# Altium PCB DataTranslator.PcbDoc (continued)
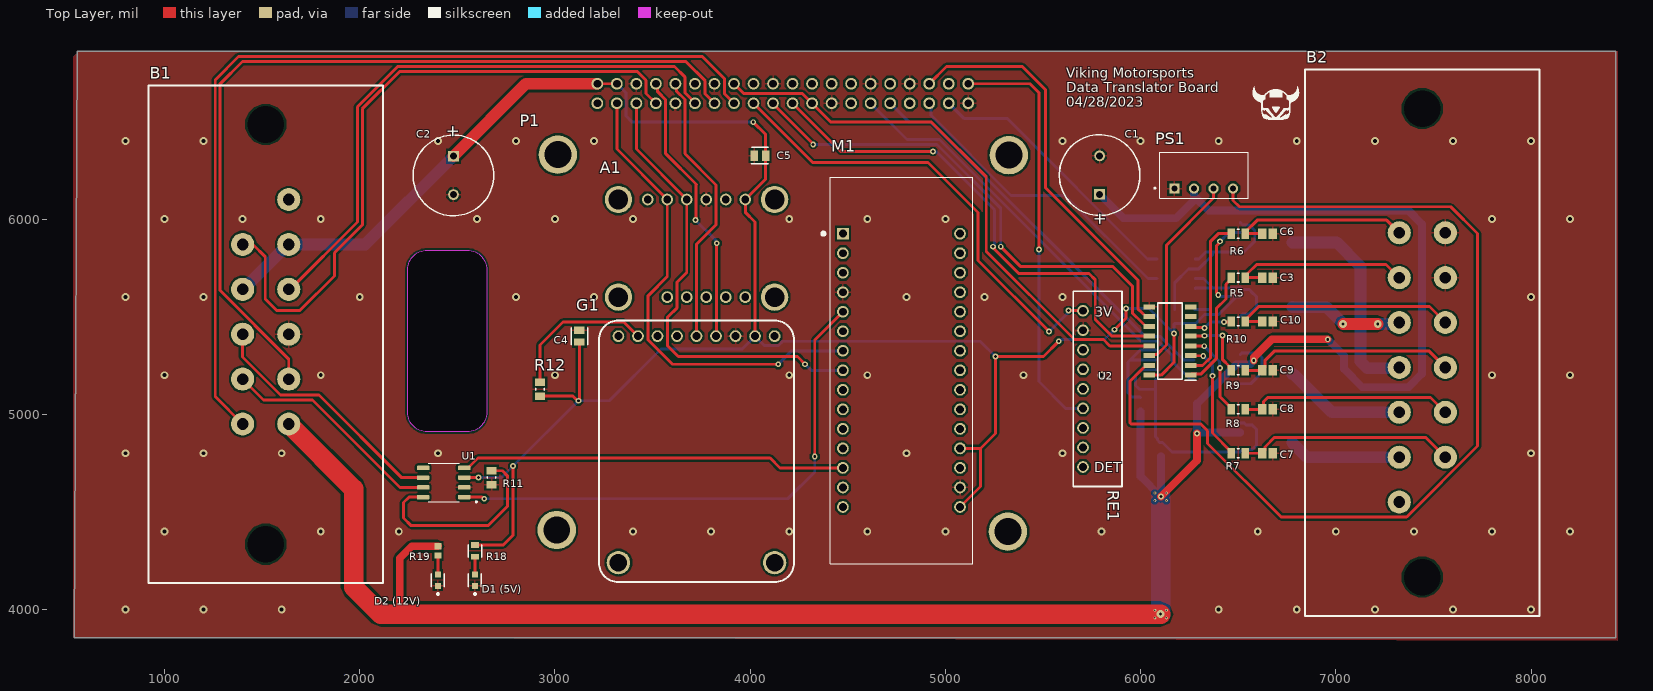
[diagram p0: Top Layer view]
## Part data (continued)
G1: "GPS BREAKOUT 66CH W/10HZ UPDATES", Manufacturer="Adafruit Industries", Manufacturer Part Number=746, Category="RF Semiconductors and Devices", ComponentLink1Description=https://media.digikey.com/pdf/Data%20Sheets/Adafruit%20PDFs/746_Web.pdf?src-supplier=Digi-Key, ComponentLink1URL=https://media.digikey.com/pdf/Data%20Sheets/Adafruit%20PDFs/746_Web.pdf?src-supplier=Digi-Key, ComponentLink2Description=http://www.alliedelec.com/m/d/a201c4d28f3644f3ee4dce0b4167d661.pdf?src-supplier=Allied+Electronics, ComponentLink2URL=http://www.alliedelec.com/m/d/a201c4d28f3644f3ee4dce0b4167d661.pdf?src-supplier=Allied+Electronics, Pricing="1=29.95 (USD)", RoHS=Yes, Stock=65, Supplier=Digi-Key, Supplier Part Number=1528-1153-ND
M1: "Boards/Accessories", Manufacturer=STMicroelectronics, Supplier Part Number=68Y1244, Category="Embedded Processors and Controllers", ComponentLink1Description=http://www.farnell.com/datasheets/2064195.pdf?src-supplier=Farnell, ComponentLink1URL=http://www.farnell.com/datasheets/2064195.pdf?src-supplier=Farnell, ComponentLink2Description=http://www.st.com/content/ccc/resource/technical/document/data_brief/b1/d8/13/d4/b0/b7/4b/6e/DM00214578.pdf/files/DM00214578.pdf/jcr:content/translations/en.DM00214578.pdf?src-supplier=Digi-Key, ComponentLink2URL=http://www.st.com/content/ccc/resource/technical/document/data_brief/b1/d8/13/d4/b0/b7/4b/6e/DM00214578.pdf/files/DM00214578.pdf/jcr:content/translations/en.DM00214578.pdf?src-supplier=Digi-Key, ComponentLink3Description=http://www.st.com/st-web-ui/static/active/en/resource/technical/document/user_manual/DM00116575.pdf?s_searchtype=keyword&src-supplier=Avnet, ComponentLink3URL=http://www.st.com/st-web-ui/static/active/en/resource/technical/document/user_manual/DM00116575.pdf?s_searchtype=keyword&src-supplier=Avnet, ComponentLink4Description=http://www.farnell.com/datasheets/1966773.pdf?src-supplier=Element14, ComponentLink4URL=http://www.farnell.com/datasheets/1966773.pdf?src-supplier=Element14, ComponentLink5Description=http://www.farnell.com/datasheets/2064195.pdf?src-supplier=Newark, ComponentLink5URL=http://www.farnell.com/datasheets/2064195.pdf?src-supplier=Newark, Core Architecture=ARM, Evaluation Kit=Yes, Lead Free="Lead Free", Manufacturer Part Number=NUCLEO-F303K8, Number of Bits=32, Pricing="1=10.33000 (USD)", Reach SVHC Compliant=Yes, RoHS=No, Series=STM32F3, Stock=226, Supplier=Newark
M2 M3: "DUAL N-Channel Enhancement Mode Power MOSFET", Manufacturer=GoFord, Supplier Part Number=3141-G800N06S2CT-ND, Manufacturer Part Number=G800N06S2, Pricing="1=0.49, 10=0.395, 100=0.2688, 500=0.2016, 1000=0.1512, 2000=0.1386 (USD)", RoHS=No, Stock=3988, Supplier=Digi-Key
P1: "SINGLE BOARD COMPUTER 700MHZ 256", Manufacturer="Raspberry Pi", Manufacturer Part Number="RASPBERRY PI A+", Supplier Part Number=2648-RASPBERRYPIA+-ND, Category="Single Board Computers (SBCs)", ComponentLink1Description=https://media.digikey.com/pdf/Data%20Sheets/Raspberry%20Pi%20PDFs/Raspberry_PI_1_Model_A+_Web.pdf?src-supplier=Digi-Key, ComponentLink1URL=https://media.digikey.com/pdf/Data%20Sheets/Raspberry%20Pi%20PDFs/Raspberry_PI_1_Model_A+_Web.pdf?src-supplier=Digi-Key, Pricing="1=20 (USD)", RoHS=Yes, Supplier=Digi-Key
PS1: "Recom Through Hole 1W Isolated DC-DC Converter, I/O isolation 1kV dc, Vout 5V dc", Manufacturer_Name="RECOM Power", Mouser Part Number=919-ROE-1205S, Arrow Part Number=ROE-1205S, Arrow Price/Stock=https://www.arrow.com/en/products/roe-1205s/recom-power?region=nac, Datasheet Link=https://www.recom-power.com/pdf/Econoline/ROE.pdf, Geometry.Height=10.5mm, Manufacturer_Part_Number=ROE-1205S, Mouser Price/Stock=https://www.mouser.co.uk/ProductDetail/RECOM-Power/ROE-1205S?qs=wlO1EFRhkBDfK04Zv7WG%2Fg%3D%3D
R1 R2 R3 R4 R5 R6 R7 R8 R9 R10 R11 R12: library part CMP-1659-00013-4, "Chip Resistor, 10 KOhm, +/- 1%, 0.125 W, -55 to 155 degC, 0805 (2012 Metric), RoHS, Tape and Reel", Manufacturer=Yageo, Max Operating Temperature="155 degC", Min Operating Temperature="-55 degC", Package Quantity=5000, Voltage Rating="150 V", ComponentLink1Description="Manufacturer URL", ComponentLink1URL=http://www.yageo.com/, ComponentLink2Description=Datasheet, ComponentLink2URL=http://www.yageo.com/documents/recent/PYu-RC_Group_51_RoHS_L_04.pdf, DatasheetVersion="Rev. 4, 02/2016", Height="0.5 mm", Length="2 mm", Mount="Surface Mount", Mounting Technology="Surface Mount", PackageDescription="2-Pin Surface Mounted Device, Body 2 x 1.25 mm", PackageReference=0805, Packaging="Tape and Reel", Pins=2, REACH SVHC="No SVHC", RoHSCompliant=true
R18: library part CMP-02407-010710-1, "RES Thick Film, 150Ω, 1%, 0.33W, 100ppm/°C, 0603", Case Code (Imperial)=0603, Case Code (Metric)=1608, Max Operating Temperature=155°C, Max Power Dissipation=250mW, Min Operating Temperature=-55°C, Package Quantity=1, Resistance=150R, Temperature Coefficient=100ppm/°C, Tolerance=1%, Voltage Rating=75V, Case/Package=0603, Composition="Thick Film", Contact Plating=Tin, Depth=0.85mm, Features="Automotive AEC-Q200", Height=0.45mm, Lead Free="Lead Free", Length=1.55mm, Military Standard=Not, Mount="Surface Mount", Number of Terminations=2, Packaging="Tape and Reel", Power Rating=250mW, Radiation Hardening=No, Termination=SMD/SMT, Voltage Rating (DC)=75V, Weight=7.1E-05oz, Width=0.033inch
R19: library part CMP-2000-00091-1, Manufacturer=Panasonic, Part Number=ERA3AEB561V
RE1: library part 4682, "MICROSD SPI/SPIO BREAKOUT BOARD", Manufacturer="Adafruit Industries", Manufacturer Part Number=4682, Pricing="1=3.556 (USD)", RoHS=No, Stock=408, Supplier="Arrow Electronics", Supplier Part Number=4682
U1: "CAN Transceiver, 1-Trnsvr, PDSO8", Case/Package=SOIC, Manufacturer=Microchip, Max Operating Temperature=85°C, Max Supply Current=75mA, Max Supply Voltage=5.5V, Min Operating Temperature=-40°C, Min Supply Voltage=4.5V, Operating Supply Voltage=5V, Package=None, Package Body Material=Plastic, Package Equivalence Code=SOP8,.25, Package Quantity=100, Package Shape=Rectangular, Package Style="SMALL OUTLINEMeter", Peak Reflow Temperature (Cel)=260°C, Supplier Part Number=69K7604, Temperature Grade=INDUSTRIAL, Time @ Peak Reflow Temperature-Max (s)=40s, Availability=Unavailable, Category="Interface ICs", Channels=1, ComponentLink1Description=https://datasheet.ciiva.com/27056/2040583-27056423.pdf?src-supplier=Jameco, ComponentLink1URL=https://datasheet.ciiva.com/27056/2040583-27056423.pdf?src-supplier=Jameco, ComponentLink2Description=https://datasheet.ciiva.com/8084/jp011797-8084592.pdf?src-supplier=Avnet, ComponentLink2URL=https://datasheet.ciiva.com/8084/jp011797-8084592.pdf?src-supplier=Avnet, ComponentLink3Description=https://datasheet.ciiva.com/14152/eb644223-644224-e-14152540.pdf?src-supplier=Distrelec, ComponentLink3URL=https://datasheet.ciiva.com/14152/eb644223-644224-e-14152540.pdf?src-supplier=Distrelec, ComponentLink4Description=https://datasheet.ciiva.com/1495/21667f-1495089.pdf?src-supplier=Element14, ComponentLink4URL=https://datasheet.ciiva.com/1495/21667f-1495089.pdf?src-supplier=Element14, ComponentLink5Description=https://datasheet.ciiva.com/1700/21667f-1700023.pdf?src-supplier=Digi-Key, ComponentLink5URL=https://datasheet.ciiva.com/1700/21667f-1700023.pdf?src-supplier=Digi-Key, ComponentLink6Description=https://datasheet.ciiva.com:443/pdfs/VipMasterIC/IC/MCHP/MCHP-S-A0002782162/MCHP-S-A0002782162-1.pdf?src-supplier=IHS+Markit, ComponentLink6URL=https://datasheet.ciiva.com:443/pdfs/VipMasterIC/IC/MCHP/MCHP-S-A0002782162/MCHP-S-A0002782162-1.pdf?src-supplier=IHS+Markit, Contact Plating=Tin,Matte, Data Rate=1Mbps, Height=1.25mm, Height - Seated (Max)=1.75mm, Interface=Serial,CAN, JESD-30 Code=R-PDSO-G8, JESD-609 Code=e3, Lead Free="Lead Free", Length=4.9mm, Logic Function=Transceiver, Manufacturer Part Number=MCP2551-I/SN, Moisture Sensitivity Level=1, Mounting Technology="Surface Mount", MP=MCP2551-I/SN, Nominal Supply Current=75mA, Nominal Supply Voltage=5.5V, Number of Drivers=1, Number of Receive Buffers=1, Number of Receivers=1, Number of Terminals/Pins=8, Number of Transceivers=1, Number of Transmit Buffers=1, Packaging=Rail/Tube, Pins=8, Power Supplies=5V, Price=None, Pricing="1=1.37000, 10=1.32000, 25=1.26000, 50=1.26000, 100=1.25000 (USD)", Qualification Status="Not Qualified", Radiation Hardening=No, Reach SVHC Compliant=Yes, RoHS=Yes, RoHS Compliant=Yes, Slew Rate=8.5V/µs, Stock=47560, Supplier=Newark, Supply Current=75mA, Surface Mount=Yes, Technology=CMOS, Telecom IC Type="INTERFACE CIRCUIT", Terminal Finish=Tin, Terminal Form="Gull Wing", Terminal Pitch=1.27mm, Terminal Position=DUAL, Width=3.9mm
U2: "10-bit ADC, 8-channel, SPI Microchip MCP3008-I/SL, 10 bit Serial ADC, Differential Input, 16-Pin SOIC", Arrow Part Number=MCP3008-I/SL, Manufacturer_Name=Microchip, Mouser Part Number=579-MCP3008-I/SL, Arrow Price/Stock=https://www.arrow.com/en/products/mcp3008-isl/microchip-technology?region=nac, Datasheet Link=https://datasheet.datasheetarchive.com/originals/distributors/Datasheets-DGA17/1031059.pdf, Geometry.Height=1.75mm, Manufacturer_Part_Number=MCP3008-I/SL, Mouser Price/Stock=https://www.mouser.co.uk/ProductDetail/Microchip-Technology-Atmel/MCP3008-I-SL?qs=BYQkrObauiuZK6Atf%2FfReA%3D%3D

## Via types
v1: diameter 40, hole 20, Top Layer to Bottom Layer, 70 vias
v2: diameter 30, hole 15, Top Layer to Bottom Layer, tented both sides, 36 vias
v3: diameter 15, hole 7, Top Layer to Bottom Layer, tented both sides, 8 vias
v4: diameter 40, hole 15, Top Layer to Bottom Layer, tented both sides, 3 vias

## Nets (pads, with @x,y where several pads share a name; then routed paths per layer and width w, separated by ;. In a path a pad name is that pad's centre, name@x,y a point inside that pad or via, vN(x,y) a via of type N, cw(c..) or ccw(c..) an arc to the next point about the centre after c; other vN are vias at no path point)
5V_OUT_1: B2.3 F3.5 | length 1102
  Bottom Layer w60: F3.5 7003.86,5880 7125.98,5757.87 7125.98,5271.37 7161.13,5236.22 7321.46,5236.22 B2.3
5V_OUT_1_RPI: M3.2 P1.35 | length 1569.3
  Bottom Layer w15: P1.35 4925.66,6584.34 4925.66,6531.04 5335.7,6120.99 5611.29,6120.99 6037.28,5695 M3.2
5V_OUT_2: B2.4 F4.5 | length 588
  Top Layer w60: v4(7037.4,5462.6) v4(7214.57,5462.6)
  Bottom Layer w60: F4.5 6778.51,5547.59 6952.41,5547.59 v4(7037.4,5462.6) ; v4(7214.57,5462.6) 7317.91,5462.6 B2.4
5V_OUT_2_RPI: M3.4 P1.37 | length 1396.7
  Bottom Layer w15: P1.37 5094.25,6515.75 5314.96,6515.75 6035.71,5795 M3.4
12V_OUT_1: B2.1 F1.5 | length 580
  Bottom Layer w60: F1.5 6851.18,4779.92 B2.1
12V_OUT_1_RPI: M2.2 P1.31 | length 2100.7
  Bottom Layer w15: P1.31 4814.38,6495.62 4924.28,6495.62 6020.88,5399.02 6099.64,5399.02 6220.7,5277.95 M2.2
12V_OUT_2: B2.2 F2.5 | length 629.7
  Bottom Layer w60: F2.5 6784.76,5205 6979.92,5009.84 7017.72,5009.84 B2.2
12V_OUT_2_RPI: M2.4 P1.29 | length 2259.8
  Bottom Layer w15: P1.29 4803.11,6406.89 4969.74,6406.89 6002.61,5374.02 6089.29,5374.02 6161.42,5301.89 6161.42,5271.85 6255.31,5177.95 M2.4
+3.3: P1.17 RE1.9 | length 2367.9
  Top Layer w15: P1.17 4320.63,6289.37 4911.42,6289.37 5167.32,6033.46 5167.32,5787.4 v2(5531.5,5423.23) ; v2(5629.92,5531.5) 5630.67,5530.75 5704.25,5530.75 RE1.9
  Bottom Layer w15: v2(5531.5,5423.23) 5627.05,5518.78 5627.05,5528.63 v2(5629.92,5531.5)
+5: A1.1 B1.1 B1.7 C2.1 C4.1 C5.1 F3.1 F4.1 G1.8 M1.16 M1.19 P1.2 P1.4 R3.2 R4.2 R12.1 R18.2 U1.3 U2.16 | length 11854.3
  Top Layer w15: U1.3 2535.22,4675.1 2608.17,4675.1 v2(2608.27,4675.2) ; R18.2 2735.04,4329.53 2785.43,4379.92 v2(2785.43,4734.25) ; R12.1 3092.4,5092.52 3116.02,5068.9 v2(3120.08,5068.9) 3120.08,5072.96 3125,5077.88 C4.1 ; P1.2 P1.4 ; v2(4015.75,6496.06) 4079.53,6432.28 C5.1 4079.53,6204.53 A1.1 3975,6034.84 4025,5984.84 G1.8 ; M1.16 5179.33,4629.33 5179.33,4825 ; M1.19 5179.33,4825 ; v2(5580.71,5374.02) 5501.97,5295.28 v2(5255.91,5295.28) 5255.91,4901.57 5179.33,4825 ; v2(5866.14,5433.07) 5925.2,5492.13 v2(5925.2,5541.34) ; U2.16 6105.51,5200 6171.26,5265.75 v2(6171.26,5413.39) ; v2(6397.64,5610.24) 6397.64,5614.3 6387.8,5624.14 6387.8,5862.08 6407.48,5881.77 v2(6407.48,5885.83)
  Top Layer w60: C2.1 2851.15,6693 P1.2
  Bottom Layer w15: v2(2608.27,4675.2) 2726.38,4675.2 v2(2785.43,4734.25) v2(3120.08,5068.9) 3277.56,5068.9 3543.31,5334.65 3959.65,5334.65 G1.8 4072.5,5352.5 4145.12,5352.5 4166.64,5374.02 5177.17,5374.02 v2(5255.91,5295.28) ; P1.4 3364.62,6645.38 3364.62,6527.11 3395.67,6496.06 v2(4015.75,6496.06) ; v2(5580.71,5374.02) 5584.77,5374.02 5593.25,5382.5 5815.57,5382.5 v2(5866.14,5433.07) ; v2(5925.2,5541.34) 6043.31,5541.34 v2(6171.26,5413.39) 6171.26,5460.83 R4.2 R3.2 6281.89,5464.57 6327.76,5510.43 6399.92,5510.43 F4.1@6490.28,5600.79 ; v2(6397.64,5610.24) 6401.7,5610.24 6409.43,5602.51 6488.56,5602.51 F4.1@6490.28,5600.79 ; v2(6407.48,5885.83) 6452.83,5931.18 F3.1 ; F4.1 6509.96,5600.79 F4.1@6490.28,5600.79
  Bottom Layer w60: B1.7 1403.15,5639.84 1633.07,5869.76 B1.1 2027.91,5869.76 C2.1
+12: B1.5 C1.1 F1.1 F2.1 PS1.2 R1.2 R2.2 R19.2 | length 11831.1
  Top Layer w40: 2204.72,3976.38 2204.72,4261.81 2266.54,4323.62 R19.2 ; v2(6103.68,4578.09) 6289.37,4763.78 v2(6289.37,4901.57) ; v2(6579.7,5275.59) 6579.7,5290.33 6673.23,5383.86 v2(6958.66,5383.86)
  Top Layer w100: B1.5 1968.5,4617.8 1968.5,4114.17 2106.3,3976.38 2204.72,3976.38 v4(6102.36,3976.38)
  Bottom Layer w40: C1.1 5912.64,6003.94 6181.1,6003.94 6273.43,6096.26 6273.43,6118.31 ; R1.2 6000,4681.77 v2(6103.68,4578.09) ; v2@6102.36,4576.77 v2(6103.68,4578.09) ; R2.2 6105,4579.41 v2(6103.68,4578.09) ; PS1.2 6273.43,6118.31 ; F1.1 6293.98,4906.18 v2(6289.37,4901.57) 6289.37,5054.25 6491.3,5256.18 F2.1 6510.67,5256.5 6562.15,5256.5 6579.7,5274.04 v2(6579.7,5275.59) ; v2(6958.66,5383.86) 7042.32,5300.2 7042.32,5231.3 7135.83,5137.8 7372.05,5137.8 7440.94,5206.69 7440.94,5974.41 7372.05,6043.31 6348.43,6043.31 6273.43,6118.31
  Bottom Layer w100: v4(6102.36,3976.38) v2@6102.36,4576.77
  other v3: 6072.83,3956.69 6131.89,3956.69 6072.83,3996.06 6131.89,3996.06 6072.83,4557.09 6131.89,4557.09 6072.83,4596.46 6131.89,4596.46
ADC1: P1.36 U2.10 | length 2074.1
  Top Layer w15: P1.36 5005.5,6781.5 5393.7,6781.5 5511.81,6663.39 5511.81,6161.42 5985.75,5687.48 5985.75,5540.88 6006.92,5519.7 6007.26,5519.7 6026.97,5500 U2.10
AGND: PS1.3 U2.14 | length 1012.5
  Top Layer w15: U2.14 6048.84,5305.14 6082.7,5305.14 6131.89,5354.33 6131.89,5866.14 6373.01,6107.26 6373.01,6155.69 PS1.3
AIN_1: B2.5 C3.1 R5.1 | length 937.9
  Top Layer w15: C3.1 R5.1 6547.62,5712.19 6547.62,5720.85 6594.49,5767.72 7256.89,5767.72 B2.5
AIN_2: B2.6 C6.1 R6.1 | length 936
  Top Layer w15: C6.1 R6.1 6535.43,5931.89 6597.64,5994.09 7260.43,5994.09 B2.6
AIN_3: B2.7 C7.1 R7.1 | length 1112.4
  Top Layer w15: R7.1 C7.1 6636.59,4814.15 6636.59,4832.01 6686.47,4881.89 7459.25,4881.89 B2.7
AIN_4: B2.8 C8.1 R8.1 | length 1102
  Top Layer w15: R8.1 C8.1 6630.25,5032.81 6630.25,5065.29 6651.36,5086.4 7484.66,5086.4 B2.8
AIN_5: B2.9 C9.1 R9.1 | length 1123.1
  Top Layer w15: R9.1 C9.1 6636.16,5238.72 6636.16,5274.07 6686.89,5324.8 7476.18,5324.8 B2.9
AIN_6: B2.10 C10.1 R10.1 | length 1182.1
  Top Layer w15: C10.1 R10.1 6535.43,5481.89 6604.72,5551.18 7479.72,5551.18 B2.10
CANH: B1.9 U1.7 | length 1154.8
  Top Layer w15: B1.9 1501.26,5078.74 1507.4,5072.6 1758.11,5072.6 2205.71,4625 U1.7
CANL: B1.8 U1.6 | length 1297.8
  Top Layer w15: B1.8 1400,5292.91 1594.49,5098.43 1791.34,5098.43 2214.76,4675 U1.6
D2: F2.2 F2.4 | length 336.2
  Bottom Layer w15: F2.4 6563.66,5156.18 6622.15,5214.67 6622.15,5291.12 6600.18,5313.09 6517.26,5313.09 F2.2
GND: "D1 (5V).1" "D2 (12V).1" A1.3 B1.3 B2.11 B2.12 C1.2 C2.2 C3.2 C4.2 C5.2 C6.2 C7.2 C8.2 C9.2 C10.2 F1.3 F2.3 F3.3 F4.3 G1.7 M1.4 M1.17 M2.1 M2.3 M3.1 M3.3 P1.6 P1.9 P1.14 P1.20 P1.25 P1.30 P1.34 P1.39 PS1.1 R11.1 RE1.8 U1.2 U2.9
  other v1: 800,4000 1200,4000 1600,4000 6400,4000 6800,4000 7200,4000 7600,4000 8000,4000 1000,4400 1800,4400 2200,4400 3400,4400 3800,4400 4200,4400 4600,4400 5000,4400 5800,4400 6600,4400 7000,4400 7400,4400 7800,4400 8200,4400 800,4800 1200,4800 1600,4800 2400,4800 4800,4800 5600,4800 8000,4800 1000,5200 1800,5200 3000,5200 4200,5200 4600,5200 5400,5200 5800,5200 7800,5200 8200,5200 800,5600 1200,5600 2000,5600 2800,5600 3200,5600 4800,5600 5200,5600 5600,5600 8000,5600 1000,6000 1400,6000 1800,6000 2600,6000 3000,6000 3400,6000 4200,6000 4600,6000 5000,6000 7800,6000 8200,6000 800,6400 1200,6400 2400,6400 2800,6400 3200,6400 5600,6400 6000,6400 6400,6400 6800,6400 7200,6400 7600,6400 8000,6400
MISO: P1.21 U2.12 | length 2571.6
  Top Layer w15: P1.21 4463.54,6346.46 4936.32,6346.46 v2(4936.66,6346.11) ; v2(5243.46,5858.27) 5248.03,5858.27 5250.96,5855.33 5250.96,5844.81 5375.3,5720.47 5736.22,5720.47 5767.72,5688.98 5767.72,5485.53 5853.25,5400 U2.12
  Bottom Layer w15: v2(4936.66,6346.11) 4939.53,6343.24 4955.97,6343.24 5251.97,6047.24 5251.97,5872.73 5250.96,5871.73 5250.96,5861.2 5248.03,5858.27 v2(5243.46,5858.27)
MOSI: P1.19 U2.11 | length 2599.1
  Top Layer w15: P1.19 4117,6590.36 4322.83,6384.53 v2(4322.83,6381.89) ; v2(5283.46,5858.27) 5383.86,5757.87 5856.3,5757.87 5957.7,5656.48 5957.7,5518.93 6007.28,5469.35 6007.62,5469.35 6026.97,5450 U2.11
  Bottom Layer w15: v2(4322.83,6381.89) 4956.69,6381.89 5283.46,6055.12 v2(5283.46,5858.27)
"NetD1 (5V)_2": "D1 (5V).2" R18.1 | length 90.9
  Top Layer w15: 2590,4179.53 R18.1
"NetD2 (12V)_2": "D2 (12V).2" R19.1 | length 96.9
  Top Layer w15: 2400,4179.53 R19.1
NetF1_2: F1.2 F1.4 M2.5 M2.6 R2.1 | length 1314.6
  Bottom Layer w15: M2.5 6076.18,5127.95 ; M2.6 6005.51,5227.95 5974.41,5196.85 5974.41,5147.64 5994.09,5127.95 6076.18,5127.95 ; F1.2 6530.04,4956.18 6542.22,4944 6571.75,4944 6594.49,4921.26 6594.49,4842.52 6570.33,4818.37 6522.54,4818.37 F1.4 6161.14,4806.18 6111.89,4855.43 6098.11,4855.43 6085.93,4867.62 6085.93,4874.51 6076.18,4884.25 6076.18,5127.95
NetF3_2: F3.2 F3.4 M3.5 M3.6 R4.1 | length 894.1
  Bottom Layer w15: R4.1 6175,5673.66 6245.05,5743.71 6278.71,5743.71 M3.6 6297.72,5745 6368.11,5815.39 6368.11,5831.18 ; M3.5 6297.72,5795 6333.9,5831.18 6368.11,5831.18 ; F3.2 6522.54,5969 6556.34,5969 6584.65,5940.69 6584.65,5885.79 6530.04,5831.18 F3.4 6368.11,5831.18
NetF4_2: F4.2 F4.4 M3.7 M3.8 R3.1 | length 792.8
  Bottom Layer w15: R3.1 6349.48,5535.43 6358.27,5544.22 6358.27,5646.65 ; M3.8 6281.65,5646.65 6358.27,5646.65 ; M3.7 6322.72,5695 6371.07,5646.65 ; F4.4 6522.54,5513.37 6556.67,5513.37 6594.49,5551.18 6594.49,5600.39 6567.22,5627.66 6567.22,5628.11 6556.34,5639 6522.54,5639 F4.2 6505.82,5646.65 6371.07,5646.65 ; 6358.27,5646.65 6371.07,5646.65
NetG1_2: G1.2 R12.2 | length 771.6
  Top Layer w15: R12.2 2923.23,5354.33 3041.34,5472.44 3352.56,5472.44 G1.2
NetM2_7: M2.7 M2.8 R1.1 | length 526.2
  Bottom Layer w15: R1.1 5996.85,5088.58 5954.72,5088.58 5935.04,5108.27 5935.04,5265.75 5949.8,5280.51 ; M2.7 5952.36,5277.95 5949.8,5280.51 ; M2.8 5997.24,5327.95 5949.8,5280.51
NetR5_2: R5.2 U2.1 | length 613.7
  Top Layer w15: U2.1 6261.56,5205.26 6308.33,5205.26 6387.8,5284.73 6387.8,5541.34 6437.01,5590.55 6437.01,5665.55 6464.57,5693.11 R5.2
NetR6_2: R6.2 U2.2 | length 836.6
  Top Layer w15: U2.2 6317.71,5250 6358.91,5291.2 6358.91,5886.47 6397.44,5925 R6.2
NetR7_2: R7.2 U2.3 | length 623.6
  Top Layer w15: U2.3 6256.74,5299.56 6320.43,5299.56 v2(6320.87,5299.12) ; v2(6368.11,5196.85) 6368.11,4903.35 6464.57,4806.89 R7.2
  Bottom Layer w15: v2(6320.87,5299.12) 6368.11,5251.87 v2(6368.11,5196.85)
NetR8_2: R8.2 U2.4 | length 451.2
  Top Layer w15: U2.4 6257.02,5349.28 6325.24,5349.28 v2(6325.96,5348.55) ; v2(6407.48,5236.22) 6407.48,5088.98 6464.57,5031.89 R8.2
  Bottom Layer w15: v2(6325.96,5348.55) 6404.61,5269.91 6404.61,5239.09 v2(6407.48,5236.22)
NetR9_2: R9.2 U2.5 | length 362.3
  Top Layer w15: U2.5 6257.33,5401.03 6325.39,5401.03 v2(6326.41,5402.06) ; v2(6420.3,5403.54) 6420.3,5279.21 6452.38,5247.12 6452.38,5237.19 R9.2
  Bottom Layer w15: v2(6326.41,5402.06) 6327.16,5402.8 6419.55,5402.8 v2(6420.3,5403.54)
NetR10_2: R10.2 U2.6 | length 225.3
  Top Layer w15: U2.6 6261.37,5444.93 6323.54,5444.93 v2(6326.41,5442.06) ; v2(6427.25,5472.34) 6461.9,5472.34 R10.2
  Bottom Layer w15: v2(6326.41,5442.06) 6356.8,5472.44 6427.15,5472.44 v2(6427.25,5472.34)
NetR11_2: R11.2 U1.8 | length 1028.2
  Top Layer w15: U1.8 2252.17,4575 2224.41,4547.24 2224.41,4468.5 2263.78,4429.13 2657.48,4429.13 2755.91,4527.56 2755.91,4685.04 2730.51,4710.43 R11.2
RX: G1.5 P1.10 | length 1420.6
  Top Layer w15: P1.10 3622.88,6687.12 3622.88,6654.46 3665.35,6611.99 3665.35,6334.65 3825,6175 3825,5970.67 3725,5870.67 G1.5
RXD: M1.13 U1.4 | length 1981.8
  Top Layer w15: U1.4 2554.41,4725 2605,4775.59 4102.36,4775.59 4152.95,4725 M1.13
SCL: A1.4 M1.8 P1.5 | length 2339.7
  Top Layer w15: P1.5 3417,6358 A1.4 3675,5726.18 3625.98,5677.17 3625.98,5545.93 3577.5,5497.44 3577.5,5349.67 3631.89,5295.28 4242.13,5295.28 v2(4281.5,5255.91)
  Bottom Layer w15: v2(4281.5,5255.91) 4312.4,5225 M1.8
SCLK: P1.23 U2.13 | length 2906.7
  Top Layer w15: 3917,6693 3967,6643 4267,6643 P1.23 4413.94,6496.06 4929.13,6496.06 5209.07,6216.12 5209.07,5834.23 5660.81,5382.5 5809.63,5382.5 5842.13,5350 U2.13
SD_CLK: RE1.7
SD_CS: P1.40 RE1.4 | length 2143.6
  Top Layer w15: P1.40 5432.98,6693 5478.99,6647 v2(5478.99,5843.16)
  Bottom Layer w15: v2(5478.99,5843.16) 5478.99,5167.32 5616.31,5030 RE1.4
SD_Di: RE1.5
SD_Do: RE1.6
SDA: A1.5 M1.7 P1.3 | length 2437.6
  Top Layer w15: P1.3 3317,6358 A1.5 3575,5704.92 3477.5,5607.42 3477.5,5380.32 3601.92,5255.91 v2(4143.7,5255.91)
  Bottom Layer w15: v2(4143.7,5255.91) 4212.8,5325 M1.7
TX: G1.6 P1.8 | length 1427.7
  Top Layer w15: P1.8 3525.92,6684.08 3525.66,6683.81 3525.66,6661.86 3525.92,6661.6 3525.92,6651.42 3566.93,6610.41 3566.93,6334.65 3725,6176.57 3722.5,6174.07 3722.5,5996.12 v2(3720.47,5994.09) ; G1.6 3826.87,5401.87 3826.87,5874.11 v2(3828.74,5875.98)
  Bottom Layer w15: v2(3720.47,5994.09) 3825.87,5888.7 3825.87,5878.85 v2(3828.74,5875.98)
TXD: M1.5 U1.1 | length 2736.1
  Top Layer w15: U1.1 2625.67,4575 2633.74,4566.93 v2(2637.8,4566.93) ; v2(4330.71,4783.46) 4330.71,5380.71 M1.5
  Bottom Layer w15: v2(2637.8,4566.93) 4192.91,4566.93 4330.71,4704.72 v2(4330.71,4783.46)
VREF: PS1.4 U2.15 | length 4986
  Top Layer w15: U2.15 6026.97,5250 6007.62,5230.65 6007.28,5230.65 5944.88,5168.25 5944.88,4957.86 5953.67,4949.07 6309.05,4949.07 6343.11,4915.01 6343.11,4850.45 6720.11,4473.44 7363.01,4473.44 7726.38,4836.81 7726.38,5925.2 7588.58,6062.99 6505.91,6062.99 6473.43,6095.47 PS1.4
Wheel_Clk: B1.10 P1.15 | length 4671
  Top Layer w15: B1.10 1259.84,5090.24 1259.84,6712.6 1379.33,6832.09 3754.24,6832.09 3869.38,6716.95 3869.38,6640.62 P1.15
Wheel_Data: B1.2 P1.11 | length 3026.2
  Top Layer w15: B1.2 1643.78,5639.84 1988.19,5984.25 1988.19,6574.8 2194.29,6780.91 3612.8,6780.91 3665.2,6728.51 3665.2,6647.5 3717,6595.7 P1.11
Wheel_Interlock: B1.6 P1.7 | length 3415.5
  Top Layer w15: B1.6 1453.07,5869.76 1515.75,5807.09 1515.75,5590.55 1574.8,5531.5 1692.91,5531.5 1870.08,5708.66 1870.08,5826.77 2013.19,5969.88 2013.19,6564.45 2204.65,6755.91 3421.44,6755.91 3464.62,6712.72 3464.62,6712.55 3466.77,6710.39 3466.77,6643.23 P1.7
Wheel_SHLD: B1.4 P1.13 | length 4366
  Top Layer w15: B1.4 1636.22,5281.97 1284.84,5633.34 1284.84,6692.91 1399.02,6807.09 3670.26,6807.09 3769.38,6707.96 3769.38,6640.62 P1.13
pads on no net: A1. A1.2 A1.6 B1. B2. G1. G1.1 G1.3 G1.4 G1.9 M1.1 M1.2 M1.3 M1.6 M1.9 M1.10 M1.11 M1.12 M1.14 M1.15 M1.18 M1.20 M1.21 M1.22 M1.23 M1.24 M1.25 M1.26 M1.27 M1.28 M1.29 M1.30 P1. P1.1 P1.12 P1.16 P1.18 P1.22 P1.24 P1.26 P1.27 P1.28 P1.32 P1.33 P1.38 RE1.1 RE1.2 RE1.3 U1.5 U2.7 U2.8

## Polygon pours and split planes (outlines as drawn)
GND on Top Layer "GND_L01_P000" (solid, pour order 0): 8444.88,3838.58 8444.88,6860.24 561.02,6860.24 531.5,6830.71 531.5,3858.27
GND on Bottom Layer "GND_L01_P000" (solid, pour order 1): 8444.88,3838.58 8444.88,6850.39 8454.72,6860.24 531.5,6860.24 531.5,3838.58

## Silkscreen, mask and mechanical layers (free items; w line width, h text height)
Top Overlay:
  drawing of 2 lines, arcs and shapes, not listed
  text "Viking Motorsports / Data Translator Board / 04/28/2023" at 5620.08,6574.8 h50
Mechanical 1:
  lines w10: 2242,4913 ccw(c2245,4913) 2245,4910 2644,4910 ccw(c2644,4913) 2647,4913 2647,5837 ccw(c2644,5837) 2644,5840 2245,5840 ccw(c2245,5837) 2242,5837 2242,4913
Mechanical 2:
  drawing of 408 lines, arcs and shapes, not listed

## Text inside footprints (layer, text, board x,y; h text height)
C1: Top Overlay "+" at 5820,5965 h59.06 r90
C2: Top Overlay "+" at 2450,6483.43 h59.06 r270
RE1: Top Overlay "3V" at 5765,5500 h50; Top Overlay "DET" at 5762,4704 h50